# KiCad board sswkbd_right.kicad_pcb (continued)
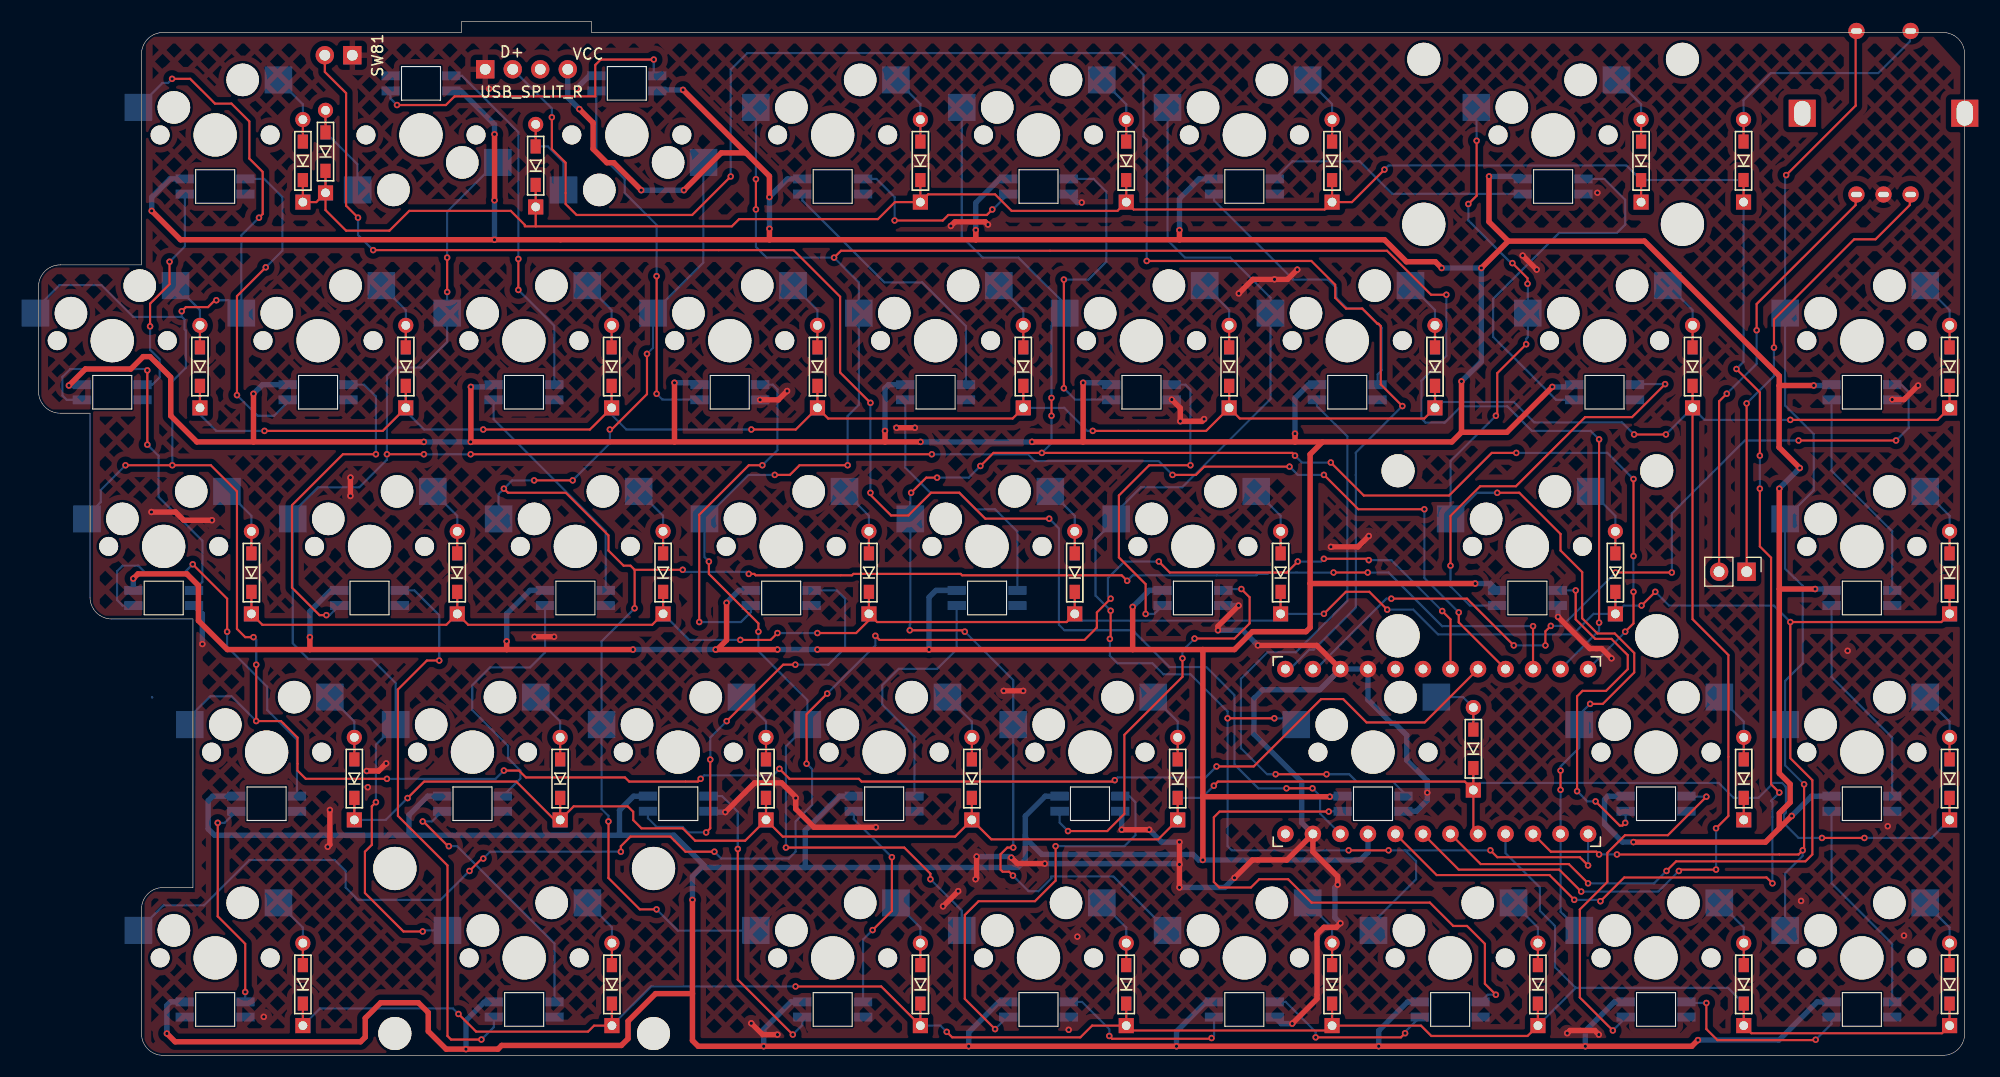
[diagram p0: board, top side]
## Routing (per net, layer and track width the routed paths; a pad name or vN(x,y) marks a point on that pad's centre or on a via; arc(x,y) is an arc through that point) (continued)
Net-(LED76-DOUT): length 37.7
  Top w0.2: v1(17.41,39.13) 17.41,42.17 v1(14.23,45.35)
  Bottom w0.2: v1(14.23,45.35) 13.26,44.38 10.04,44.38 9.2,45.22 7.75,45.22 7.25,44.71 7.25,42.05 7.75,41.54 8.31,41.54 8.31,41.54 LED76.2 ; LED77.4 23.85,29.14 21.11,31.89 21.11,34.03 17.41,37.73 v1(17.41,39.13)
Net-(LED77-DOUT): length 19.8
  Top w0.2: v1(19.07,5.85) 19.07,10.3 16.53,12.84 v1(16.53,21.47)
  Bottom w0.2: v1(19.07,5.85) 19.07,4.94 19.1,4.91 ; 18.25,22.54 17.19,21.47 v1(16.53,21.47)

## Copper pours and planes (outline as drawn; the poured copper is in the pictures)
GND2 on Top, Bottom: 174.9,94.07 9.91,94.07 9.91,72.76 0.25,72.76 0.25,60.04 1.02,59.65 5.03,59.65 5.03,40.6 13.85,40.6 14.56,40.52 14.42,15.07 9.78,15.13 9.78,0.21 93.78,0.21 177.3,0.26 177.39,91.32

## Text on the board
B.Silkscreen: RST | D+ | VCC | ENC_A | ENC_B
F.Silkscreen: D+ | VCC | USB_SPLIT_R
